# Altium PCB WunderBar_v102b _flip.PcbDoc (part 7 of 7)
Units mil, origin at the board's own origin, x right, y up, seen from the top; angles counter-clockwise.
Board outline 4556.01 x 1552 mil, 4 copper layers (Top, Route2, Route15, Bottom), stack 52.756 mil thick; 380 components, 258 nets, 1391 pads, 528 vias.
Unrouted connection lines stored in the file: 8.
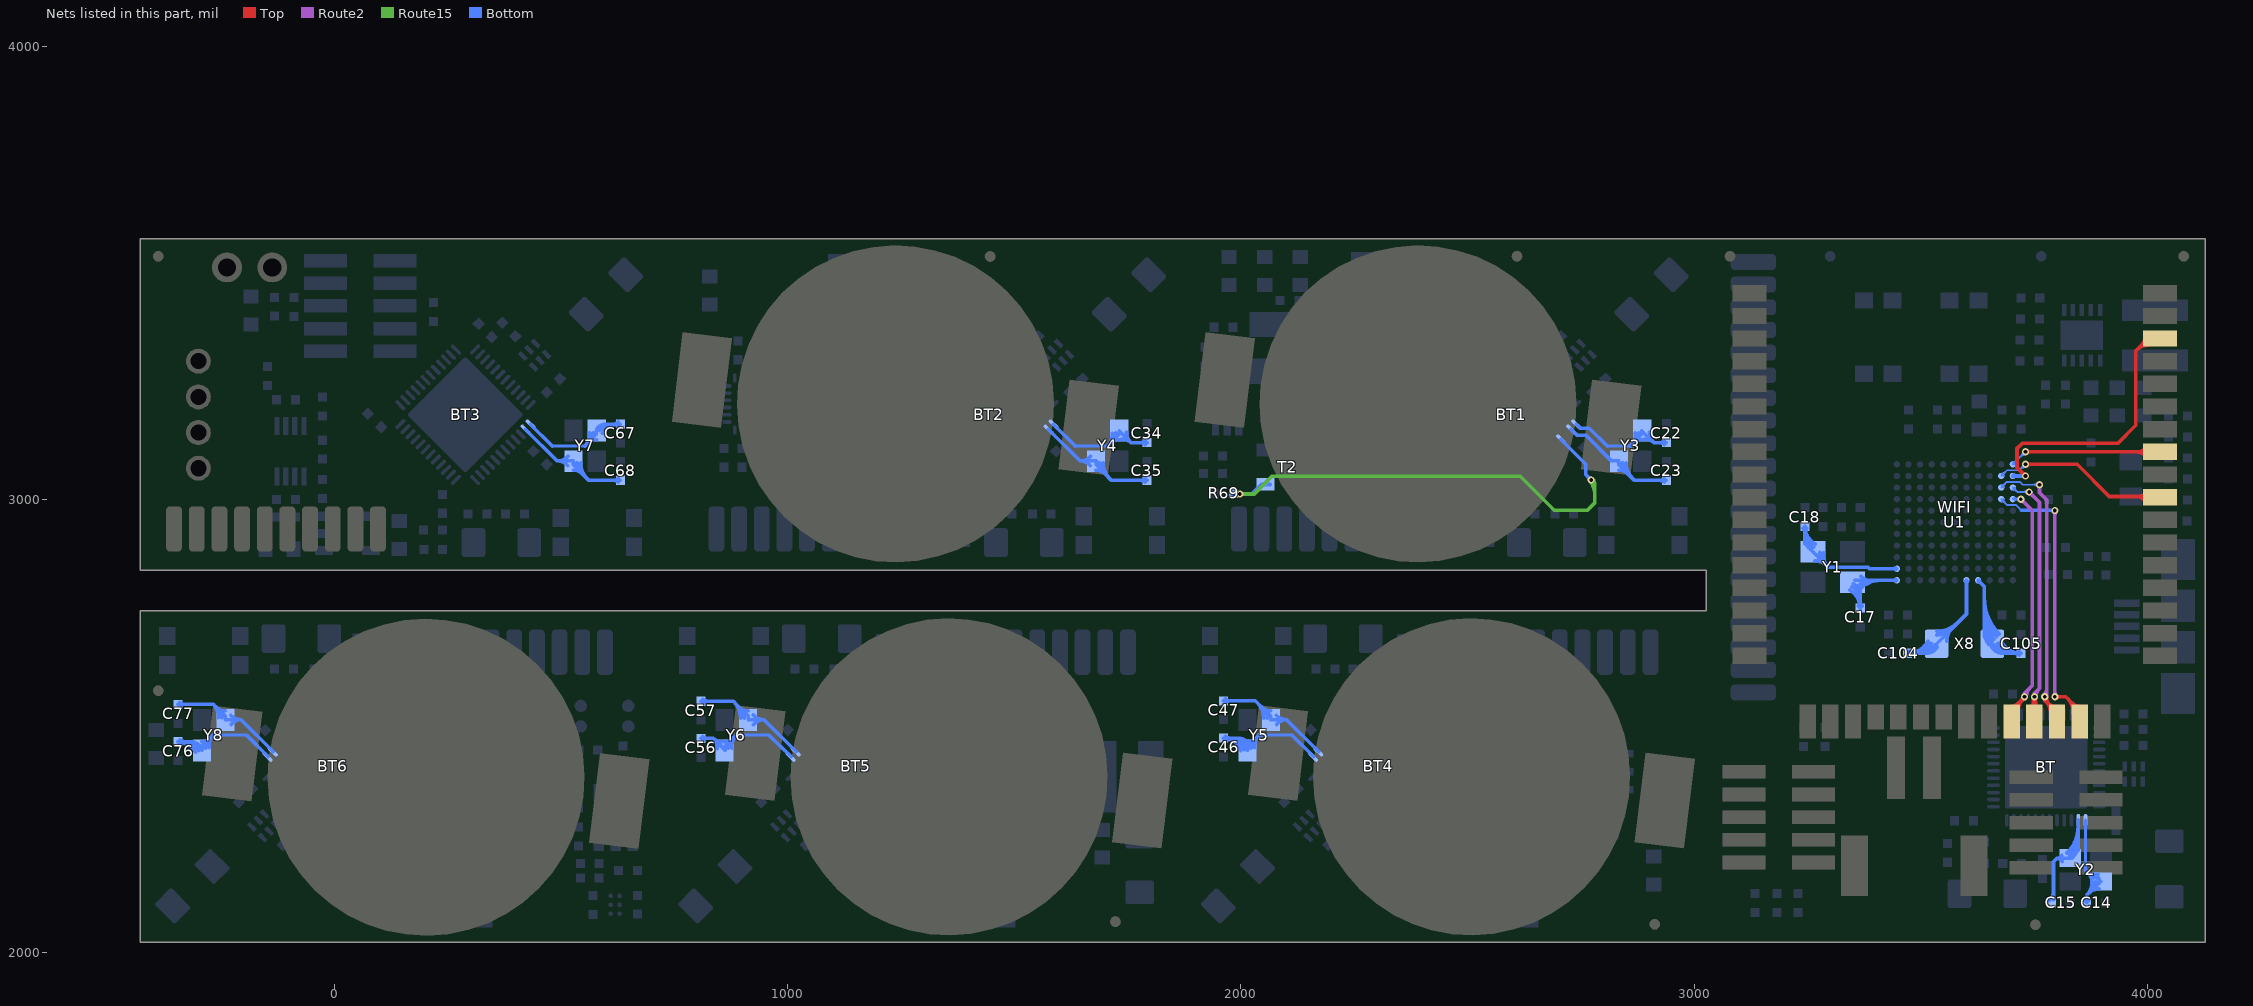
[diagram p9: the nets of this part, all layers, seen from the top]

## Via types
v1: diameter 16, hole 8, Top to Bottom, tented both sides, 282 vias
v2: diameter 24, hole 12, Top to Bottom, tented both sides, 135 vias
v3: diameter 14, hole 6, Top to Bottom, tented both sides, 34 vias
v4: diameter 48/41/41/48 (per signal layer), hole 32, Top to Bottom, 30 vias
v5: diameter 16, hole 8, Top to Route2, tented top, 18 vias
v6: diameter 21/21/21/21 (per signal layer), hole 12, Top to Bottom, tented both sides, 15 vias
v7: diameter 24, hole 12, Top to Route2, tented top, 12 vias
v8: diameter 21/21/21/21 (per signal layer), hole 12, Top to Bottom, 1 vias
v9: diameter 24, hole 8, Top to Bottom, tented both sides, 1 vias

## Nets (pads, with @x,y where several pads share a name; then routed paths per layer and width w, separated by ;. In a path a pad name is that pad's centre, name@x,y a point inside that pad or via, vN(x,y) a via of type N, cw(c..) or ccw(c..) an arc to the next point about the centre after c; other vN are vias at no path point) (continued)
WIFI_SPI_IRQ: U1.B1 WIFI.46 | length 724.1
  Top w8: v1@3727,3052.36 ccw(c3717.34,3052.36) 3724.17,3059.19 ccw(c3731,3066.01) v1@3731,3056.36 ; v1(3731,3052.36) 3712.41,3070.95 3712.41,3112.81 3723.72,3124.12 3934.44,3124.12 3974.4,3164.09 3974.4,3328.36 ; 3987.33,3341.29 cw(c4007.17,3321.44) WIFI.46@4008.28,3349.48 ; 3989.57,3343.53 ccw(c3977.62,3355.48) WIFI.46@3994.52,3355.48 ; WIFI.46@4007.97,3341.49 ccw(c4006.19,3296.57) 3974.4,3328.36 ; WIFI.46@4028.52,3355.48 4001.52,3355.48 3974.4,3328.36
  Bottom w8: U1.B1@3703.19,3052.36 v1(3731,3052.36) ; U1.B1@3705.31,3050.24 cw(c3710.43,3045.11) 3710.43,3052.36 cw(c3710.43,3059.6) U1.B1@3705.31,3054.48 ; v1@3728.17,3049.53 ccw(c3721.34,3042.7) 3721.34,3052.36 ccw(c3721.34,3062.01) v1@3728.17,3055.19
WIFI_SPI_MISO: U1.D1 WIFI.27 | length 771.9
  Top w8: WIFI.27@3700.52,2510.48 3700.52,2519.52 3714,2533 3714,2550 ; WIFI.27@3706.52,2529.99 cw(c3736.71,2530.02) 3715.36,2551.36 ; WIFI.27@3712.48,2537.26 cw(c3721.34,2542.66) 3714,2550 ; WIFI.27@3714.52,2529.99 cw(c3763.95,2530.04) v1(3729,2565) 3714,2550 ; v1@3725,2565 cw(c3715.34,2565) 3722.17,2558.17 cw(c3729,2551.34) v1@3729,2561 ; v1@3725.14,2563.96 cw(c3715.81,2561.47) 3724.17,2556.64 cw(c3732.54,2551.81) v1@3730.04,2561.14 ; WIFI.27@3700.52,2543.98 ccw(c3700.52,2561.99) 3713.26,2549.26 cw(c3700.52,2561.99) WIFI.27@3700.52,2543.98
  Route2 w8: v1@3721,2997 cw(c3721,2987.34) 3727.83,2994.17 cw(c3734.66,3001) v1@3725,3001 ; v1(3721,3001) 3746,2976 3746,2590 3729,2573 v1(3729,2565) ; v1@3733,2565 cw(c3761.97,2565) 3741.49,2585.49
  Bottom w4: U1.D1@3703.19,3001.21 v1@3721,3001.21 ; U1.D1@3706.02,3001.21 cw(c3706.02,2986.02) v1@3716.76,2996.76 ; U1.D1@3706.72,2997.67 cw(c3715.26,2989.14) 3715.26,3001.21 cw(c3715.26,3013.28) U1.D1@3706.72,3004.74 ; U1.D1@3707.01,3001.21 ccw(c3707.01,3014.99) v1@3716.76,3005.24 ; v1@3715.47,2998.67 ccw(c3712.8,2997.54) 3712.04,3000.34 ccw(c3710.7,3005.34) v1@3715.47,3003.33 ; v1@3715.47,2998.68 ccw(c3709.78,2996.29) 3711.38,3002.25 ccw(c3712.41,3006.1) v1@3715.84,3004.06
WIFI_SPI_MOSI: U1.D2 WIFI.30 | length 766.8
  Top w8: v1(3796,2565) 3820,2565 WIFI.30@3844.52,2540.48 ; v1@3798.83,2562.17 cw(c3805.66,2555.34) 3805.66,2565 cw(c3805.66,2574.66) v1@3798.83,2567.83 ; 3823.44,2561.56 cw(c3791.86,2529.98) WIFI.30@3836.52,2529.98 ; 3834.3,2550.7 ccw(c3850.52,2566.92) WIFI.30@3850.52,2543.98 ; WIFI.30@3837.1,2547.9 cw(c3819.17,2529.98) WIFI.30@3844.52,2529.98 ; WIFI.30@3850.52,2510.48 WIFI.30@3850.52,2529.48
  Route2 w8: v1@3793.17,2567.83 ccw(c3786.34,2574.66) 3796,2574.66 ccw(c3805.66,2574.66) v1@3798.83,2567.83 ; v1@3793.17,2973.17 cw(c3786.34,2966.34) 3796,2966.34 cw(c3805.66,2966.34) v1@3798.83,2973.17 ; v1(3796,2565) v1@3796,2977
  Bottom w4: U1.D2@3677.59,2996.19 cw(c3677.59,2984.12) 3686.12,2992.65 cw(c3694.66,3001.19) U1.D2@3682.59,3001.19 ; U1.D2@3677.59,3001.19 3690.66,2988.12 3710.57,2988.12 3721.69,2977
  Bottom w8: 3721.69,2977 3796,2977 v1(3796,2976) ; 3783.93,2977 cw(c3783.93,2963.93) v1@3793.17,2973.17
WIFI_SPI_SCK: U1.C1 WIFI.28 | length 731.1
  Top w8: WIFI.28@3740.62,2539.88 ccw(c3716.72,2563.78) 3750.52,2563.78 ccw(c3784.32,2563.78) WIFI.28@3760.42,2539.88 ; v1@3747.54,2563 cw(c3739.61,2558.42) 3748.45,2556.06 ; v1@3748.17,2562.17 cw(c3742.5,2556.5) 3750.52,2556.5 ; 3748.27,2555.37 cw(c3758.08,2552.74) v1@3753,2561.54 ; WIFI.28@3750.52,2510.48 v1@3750.52,2565 ; 3750.52,2554.18 cw(c3761.82,2554.18) v1@3753.83,2562.17 ; 3753.23,2553.65 cw(c3765.13,2556.84) v1@3754.46,2563
  Route2 w8: v1@3739,3013 cw(c3739,3003.34) 3745.83,3010.17 cw(c3752.66,3017) v1@3743,3017 ; v1(3739,3017) 3762,2994 3762,2584 ; v1(3751,2565) 3751,2573 3762,2584 ; v1@3754.99,2565.28 cw(c3779.06,2566.94) 3762,2584
  Bottom w4: U1.C1@3703.19,3021.78 cw(c3703.19,3009.71) 3711.72,3018.25 cw(c3720.26,3026.78) U1.C1@3708.19,3026.78 ; U1.C1@3703.19,3026.78 3712.97,3017 v1(3739,3017) ; v1@3734.76,3012.76 ccw(c3724.51,3002.51) 3724.51,3017 ccw(c3724.51,3031.49) v1@3734.76,3021.24
WIFI_SPI_SSEL: U1.C2 WIFI.29 | length 791.6
  Top w8: v1(3773.52,2565) 3773.52,2557 WIFI.29@3799.52,2531 ; 3776.61,2553.91 cw(c3752.67,2529.98) WIFI.29@3786.52,2529.98 ; 3776.65,2553.87 ccw(c3800.52,2577.73) WIFI.29@3800.52,2543.98 ; v1@3777.52,2565 ccw(c3806.49,2565) WIFI.29@3786,2544.51 ; WIFI.29@3800.52,2510.48 WIFI.29@3800.52,2536
  Route2 w8: v1@3759.17,3030.17 cw(c3752.34,3023.34) 3762,3023.34 cw(c3771.66,3023.34) v1@3764.83,3030.17 ; v1(3762,3033) 3762,3015.2 3778.09,2999.1 3778.09,2569.57 v1(3773.52,2565) ; v1@3770.69,2567.83 ccw(c3752.82,2585.7) 3778.09,2585.7
  Bottom w4: U1.C2@3677.59,3026.76 3690.11,3039.28 3718.72,3039.28 3725,3033 v1(3762,3033) ; U1.C2@3677.59,3031.76 ccw(c3677.59,3043.84) 3686.12,3035.3 ccw(c3694.66,3026.76) U1.C2@3682.59,3026.76 ; v1@3757.76,3028.76 ccw(c3747.51,3018.51) 3747.51,3033 ccw(c3747.51,3047.49) v1@3757.76,3037.24
WIFI_UART_RX_LPC_TX: U1.A1 WIFI.41 | length 446.6
  Top w8: v1(3731,3105.48) WIFI.41@4028.52,3105.48 ; v1@3733.83,3102.65 cw(c3740.66,3095.82) 3740.66,3105.48 cw(c3740.66,3115.14) v1@3733.83,3108.31 ; WIFI.41@3998.62,3095.58 ccw(c3974.72,3071.68) 3974.72,3105.48 ccw(c3974.72,3139.28) WIFI.41@3998.62,3115.38
  Bottom w4: U1.A1@3703.19,3077.94 v1@3730.86,3105.62 ; U1.A1@3703.19,3082.94 ccw(c3703.19,3095.01) 3711.72,3086.48 ccw(c3720.26,3077.94) U1.A1@3708.19,3077.94 ; 3720.29,3095.05 cw(c3731,3084.34) v1@3731,3099.48 ; 3720.95,3095.7 ccw(c3711.17,3105.48) v1@3725,3105.48
WIFI_UART_TX_LPC_RX: U1.B2 WIFI.39 | length 501.6
  Top w8: v1(3731,3078) 3845,3078 3916.09,3006.91 4027.09,3006.91 WIFI.39@4028.52,3005.48 ; v1@3733.83,3075.17 cw(c3740.66,3068.34) 3740.66,3078 cw(c3740.66,3087.66) v1@3733.83,3080.83 ; 3971.28,3006.91 cw(c3971.28,2968.24) WIFI.39@3998.62,2995.58 ; 3978.16,3006.91 ccw(c3978.16,3035.84) WIFI.39@3998.62,3015.38
  Bottom w4: U1.B2@3677.59,3052.34 3690.25,3065 3718,3065 v1(3731,3078) ; U1.B2@3677.59,3057.34 ccw(c3677.59,3069.41) 3686.12,3060.88 ccw(c3694.66,3052.34) U1.B2@3682.59,3052.34 ; v1@3725,3078 cw(c3710.51,3078) 3720.76,3067.76 cw(c3731,3057.51) v1@3731,3072
WLED_CTRL: BT1.40 R69.2 T2.1 | length 1157.2
  Route15 w8: v1(1997.52,3012.48) 2029.52,3012.48 2068.52,3051.48 2616.52,3051.48 2691.52,2976.48 2764.52,2976.48 2780.52,2992.48 2780.52,3035.48 v1(2772.52,3043.48) ; v1@2769.69,3040.65 cw(c2743.55,3014.51) 2780.52,3014.51 ; v1@2775.35,3046.31 cw(c2762.86,3033.82) 2780.52,3033.82
  Bottom w8: R69.2@1983.04,3012.48 v1(1997.52,3012.48) 2024.32,3012.48 2045.32,3033.48 T2.1@2064.52,3033.48 ; BT1.40@2705.52,3133.48 2760.52,3078.48 2760.52,3055.48 v1(2772.52,3043.48) ; v1@2768.52,3043.48 ccw(c2758.86,3043.48) 2765.69,3050.31 ccw(c2772.52,3057.14) v1@2772.52,3047.48
XC16M1: BT.37 C14.1 Y2.3 | length 382.2
  Bottom w7: 3863.52,2182.48 BT.37@3863.52,2293.48
  Bottom w8: C14.1@3861.61,2114.72 ccw(c3849.75,2126.58) 3866.52,2126.58 ; C14.1@3866.52,2110.48 3866.52,2127.48 ; 3866.52,2123.35 ccw(c3878.72,2123.35) C14.1@3870.09,2114.72 ; 3869.74,2176.26 cw(c3850.96,2157.48) Y2.3@3877.52,2157.48 ; 3871.33,2132.29 cw(c3893.52,2110.1) Y2.3@3893.52,2141.48 ; Y2.3@3874.78,2171.22 ccw(c3889.37,2185.8) Y2.3@3892.36,2165.4 ; Y2.3@3877.55,2156.53 cw(c3839.74,2154.27) 3866.52,2127.48 ; Y2.3@3879.1,2140.06 ccw(c3863.48,2155.69) Y2.3@3885.53,2157 ; Y2.3@3891.2,2173.31 cw(c3886.48,2205.44) 3863.52,2182.48 3880.52,2165.48 3888.52,2165.48 3896.52,2157.48 3866.52,2127.48
XC16M2: BT.38 C15.1 Y2.1 | length 423
  Bottom w8: C15.1@3783.61,2114.72 ccw(c3760.93,2137.4) 3793,2137.4 ; C15.1@3793,2116.96 3793,2201 3800.48,2208.48 ; Y2.1@3811.44,2215.59 cw(c3800.48,2220.49) 3800.48,2208.48 ; Y2.1@3811.91,2201.59 ccw(c3800.48,2195.55) 3800.48,2208.48 ; Y2.1@3822.74,2220.38 ccw(c3762.92,2280.2) BT.38@3847.52,2280.2 ; Y2.1@3828.4,2214.73 ccw(c3782.23,2260.89) 3847.52,2260.89 ; Y2.1@3834.06,2209.07 ccw(c3801.55,2241.58) 3847.52,2241.58 ; BT.38@3847.52,2293.48 3847.52,2226.48 3829.52,2208.48 3800.48,2208.48
XC16M3: BT1.38 C23.1 Y3.1 | length 368.3
  Bottom w8: BT1.38@2727.52,3155.48 2741.52,3142.48 2760.52,3142.48 2817.52,3085.48 2833.52,3085.48 2833.52,3077.48 2868.52,3042.48 C23.1@2938.52,3042.48 ; Y3.1@2833.93,3065.02 cw(c2833.93,3035.91) 2854.51,3056.49 ; Y3.1@2841.93,3081.02 ccw(c2870.77,3081.02) 2850.38,3060.62 ; Y3.1@2849.93,3081.02 ccw(c2898.08,3081.02) 2864.03,3046.97 ; 2923.24,3042.48 ccw(c2923.24,3058.09) C23.1@2934.28,3047.05 ; 2924.83,3042.48 cw(c2924.83,3029.12) C23.1@2934.28,3038.57
XC16M4: BT1.37 C22.1 Y3.3 | length 399.7
  Bottom w7: 2808.52,3118.48 2859.52,3118.48
  Bottom w8: BT1.37@2739.52,3166.48 2748.52,3157.48 2768.52,3157.48 2808.52,3118.48 ; BT1.37@2746.84,3159.2 ccw(c2750.98,3163.34) 2750.98,3157.48 ; 2859.52,3118.48 2884.52,3144.48 2884.52,3151.48 2911.52,3125.48 ; 2859.58,3118.54 ccw(c2833.35,3143.76) Y3.3@2869.58,3147.04 ; 2863.66,3122.78 cw(c2886.45,3100.87) Y3.3@2885.83,3132.48 ; Y3.3@2871.73,3131.18 ccw(c2856.47,3145.85) Y3.3@2877.55,3147.76 ; Y3.3@2888.19,3132.71 cw(c2892.71,3106.03) 2911.48,3125.52 ; Y3.3@2901.52,3148.63 ccw(c2934.03,3148.94) 2911.48,3125.52 ; 2923.24,3125.48 ccw(c2923.24,3141.09) C22.1@2934.28,3130.05 ; 2924.83,3125.48 cw(c2924.83,3112.12) C22.1@2934.28,3121.57 ; C22.1@2938.52,3125.48 2911.52,3125.48
XC16M5: BT2.38 C35.1 Y4.1 | length 424.1
  Bottom w8: BT2.38@1574.52,3155.48 1645.52,3085.48 ; Y4.1@1667.47,3074.98 ccw(c1645.52,3057.3) 1645.52,3085.48 ; Y4.1@1667.93,3095.6 cw(c1645.52,3115.35) 1645.52,3085.48 ; Y4.1@1679.7,3065.02 cw(c1679.24,3033.36) 1701.95,3055.42 ; Y4.1@1687.93,3080.9 ccw(c1714.2,3080.52) Y4.1@1695.35,3062.21 ; Y4.1@1695.93,3080.78 ccw(c1741.51,3080.12) 1708.81,3048.36 ; 1777.24,3042.48 ccw(c1777.24,3058.09) C35.1@1788.28,3047.05 ; 1778.83,3042.48 cw(c1778.83,3029.12) C35.1@1788.28,3038.57 ; C35.1@1792.52,3042.48 1714.52,3042.48 1680.52,3077.48 1680.52,3085.48 1645.52,3085.48
XC16M6: BT2.37 C34.1 Y4.3 | length 400.6
  Bottom w7: 1634.52,3118.48 1705.52,3118.48
  Bottom w8: BT2.37@1585.52,3166.48 1634.52,3118.48 ; 1711.03,3124 cw(c1731.52,3103.51) Y4.3@1731.52,3132.48 ; Y4.3@1715.6,3146.85 cw(c1680.74,3143.27) 1705.52,3118.48 1731.52,3144.48 1731.52,3151.48 1757.52,3125.48 ; Y4.3@1717.42,3130.38 ccw(c1702.31,3145.48) Y4.3@1723.56,3147.66 ; Y4.3@1734.36,3132.73 cw(c1739.01,3106.97) 1757.52,3125.48 ; Y4.3@1747.52,3148.48 ccw(c1778.9,3148.48) 1756.71,3126.29 ; 1777.24,3125.48 ccw(c1777.24,3141.09) C34.1@1788.28,3130.05 ; 1778.83,3125.48 cw(c1778.83,3112.12) C34.1@1788.28,3121.57 ; C34.1@1792.52,3125.48 1757.52,3125.48
XC16M7: BT4.38 C47.1 Y5.1 | length 418.1
  Bottom w8: C47.1@1961.52,2556.48 2031.52,2556.48 2065.52,2522.48 2065.52,2514.48 2100.52,2514.48 ; C47.1@1965.76,2551.91 cw(c1976.8,2540.87) 1976.8,2556.48 ; C47.1@1965.76,2560.39 ccw(c1975.21,2569.84) 1975.21,2556.48 ; 2036.01,2551.99 cw(c2001.96,2517.94) Y5.1@2050.11,2517.94 ; 2045.53,2542.47 ccw(c2066.11,2563.05) Y5.1@2066.11,2533.94 ; 2049.66,2538.34 cw(c2029.27,2517.94) Y5.1@2058.11,2517.94 ; Y5.1@2078.08,2524.57 ccw(c2100.52,2544.49) 2100.52,2514.48 ; Y5.1@2078.6,2503.95 cw(c2100.52,2486.41) 2100.52,2514.48 ; BT4.38@2171.52,2443.48 2100.52,2514.48
XC16M8: BT4.37 C46.1 Y5.3 | length 582
  Bottom w7: 2040.52,2480.48 2112.52,2480.48
  Bottom w8: C46.1@1964.52,2468.95 cw(c1970.66,2458.32) 1973.84,2470.18 ; C46.1@1965.76,2469.91 cw(c1974.39,2461.28) 1974.39,2473.48 ; C46.1@1965.76,2478.39 ccw(c1977.62,2490.25) 1977.62,2473.48 ; C46.1@1966.72,2477.15 ccw(c1981.17,2485.49) 1976.85,2469.37 ; 1972.39,2473.48 cw(c1972.39,2437.36) Y5.3@2006.88,2448.1 ; 1983.26,2473.48 cw(c1983.26,2440.74) Y5.3@2014.52,2450.48 ; 1994.14,2473.48 cw(c1994.14,2444.13) Y5.3@2022.16,2452.86 ; Y5.3@1998.78,2453.37 ccw(c1976.5,2457.46) 1992.52,2473.48 ; Y5.3@1999.24,2445.72 ccw(c1961.52,2433.97) 1961.52,2473.48 1992.52,2473.48 ; Y5.3@2012.75,2466.38 cw(c2010.02,2490.98) 1992.52,2473.48 ; Y5.3@2014.52,2447.48 Y5.3@2014.52,2451.48 ; Y5.3@2014.83,2466.48 ccw(c2015.35,2492.79) 2033.59,2473.82 ; Y5.3@2022.47,2451.38 cw(c2043.9,2453.81) Y5.3@2028.95,2469.36 ; Y5.3@2030.42,2452.28 cw(c2064.15,2456.11) 2040.62,2480.58 ; 2040.52,2480.48 2014.52,2455.48 Y5.3@2014.52,2451.48 ; 2112.52,2480.48 BT4.37@2160.52,2432.48 ; 1992.52,2473.48 Y5.3@2014.52,2451.48
XC16M9: BT5.38 C57.1 Y6.1 | length 422
  Bottom w8: C57.1@808.52,2555.48 879.52,2555.48 912.52,2522.48 912.52,2514.48 947.52,2514.48 ; C57.1@812.76,2550.91 cw(c823.8,2539.87) 823.8,2555.48 ; C57.1@812.76,2559.39 ccw(c822.21,2568.84) 822.21,2555.48 ; 881.3,2553.7 cw(c845.55,2517.94) Y6.1@896.11,2517.94 ; 893.24,2541.76 ccw(c912.11,2560.63) Y6.1@912.11,2533.94 ; 894.96,2540.04 cw(c872.86,2517.94) Y6.1@904.11,2517.94 ; Y6.1@923.85,2524.82 ccw(c947.52,2546.75) 947.52,2514.48 ; Y6.1@924.38,2503.67 cw(c947.52,2484.3) 947.52,2514.48 ; BT5.38@1018.52,2443.48 947.52,2514.48
XC16M10: BT5.37 C56.1 Y6.3 | length 392.7
  Bottom w7: 886.52,2480.48 958.52,2480.48
  Bottom w8: C56.1@808.52,2473.48 835.52,2473.48 ; C56.1@812.76,2468.91 cw(c823.8,2457.87) 823.8,2473.48 ; C56.1@812.76,2477.39 ccw(c822.21,2486.84) 822.21,2473.48 ; Y6.3@844.53,2450.9 ccw(c813.76,2451.71) 835.52,2473.48 ; Y6.3@857.93,2466.27 cw(c853.75,2491.71) 835.52,2473.48 ; Y6.3@860.52,2466.48 ccw(c860.52,2495.45) 881.01,2474.97 ; Y6.3@868.48,2451.3 cw(c889.73,2453.48) Y6.3@874.62,2468.58 ; Y6.3@876.44,2452.11 cw(c911.3,2455.7) 886.52,2480.48 861.52,2455.48 861.52,2447.48 835.52,2473.48 ; 958.52,2480.48 BT5.37@1007.52,2432.48
XC16M11: BT3.38 C68.1 Y7.1 | length 420.2
  Bottom w8: BT3.38@420.52,3155.48 491.52,3085.48 ; Y7.1@514.69,3074.7 ccw(c491.52,3055.18) 491.52,3085.48 ; Y7.1@515.16,3095.85 cw(c491.52,3117.6) 491.52,3085.48 ; Y7.1@526.93,3065.02 cw(c526.93,3035.91) 547.51,3056.49 ; Y7.1@534.93,3081.02 ccw(c563.77,3081.02) 543.38,3060.62 ; Y7.1@542.93,3081.02 ccw(c591.08,3081.02) 557.03,3046.97 ; 615.24,3042.48 ccw(c615.24,3058.09) C68.1@626.28,3047.05 ; 616.83,3042.48 cw(c616.83,3029.12) C68.1@626.28,3038.57 ; C68.1@630.52,3042.48 561.52,3042.48 526.52,3077.48 526.52,3085.48 491.52,3085.48
XC16M12: BT3.37 C67.1 Y7.3 | length 442.7
  Bottom w7: 480.52,3118.48 552.52,3118.48
  Bottom w8: BT3.37@431.52,3166.48 480.52,3118.48 ; 552.52,3118.48 577.52,3144.48 577.52,3151.48 592.52,3166.48 630.52,3166.48 ccw(c630.52,3117.48) Y7.3@591.32,3146.88 ; 552.58,3118.54 ccw(c526.35,3143.76) Y7.3@562.58,3147.04 ; 556.66,3122.78 cw(c579.45,3100.87) Y7.3@578.83,3132.48 ; Y7.3@564.73,3131.18 ccw(c549.47,3145.85) Y7.3@570.55,3147.76 ; Y7.3@578.52,3156.48 cw(c598.52,3141.48) Y7.3@598.52,3166.48 ; Y7.3@584.92,3151.68 cw(c614.52,3129.48) 614.52,3166.48 ; 614.42,3166.48 ccw(c614.42,3183.25) C67.1@626.28,3171.39 ; 617.65,3166.48 cw(c617.65,3154.28) C67.1@626.28,3162.91
XC16M13: BT6.38 C77.1 Y8.1 | length 405.8
  Bottom w8: C77.1@-345.48,2548.48 -267.48,2548.48 ; C77.1@-341.24,2543.91 cw(c-330.2,2532.87) -330.2,2548.48 ; C77.1@-341.24,2552.39 ccw(c-331.79,2561.84) -331.79,2548.48 ; -261.47,2542.47 ccw(c-240.89,2563.05) Y8.1@-240.89,2533.94 ; Y8.1@-256.83,2519.31 ccw(c-293.51,2522.45) -267.48,2548.48 ; Y8.1@-255.32,2536.32 cw(c-271.11,2520.53) Y8.1@-248.86,2518.63 ; Y8.1@-228.92,2524.57 ccw(c-206.48,2544.49) -206.48,2514.48 ; Y8.1@-228.4,2503.95 cw(c-206.48,2486.41) -206.48,2514.48 ; BT6.38@-135.48,2443.48 -206.48,2514.48 ; -267.48,2548.48 -241.48,2522.48 -241.48,2514.48 -206.48,2514.48
XC16M14: BT6.37 C76.1 Y8.3 | length 478.6
  Bottom w7: -267.42,2480.54 -195.46,2480.54
  Bottom w8: C76.1@-342.48,2460.95 cw(c-336.34,2450.32) -333.16,2462.18 ; C76.1@-341.24,2461.91 cw(c-332.61,2453.28) -332.61,2465.48 ; C76.1@-341.24,2470.39 ccw(c-329.38,2482.25) -329.38,2465.48 ; C76.1@-340.28,2469.15 ccw(c-325.83,2477.49) -330.15,2461.37 ; -331.8,2465.48 cw(c-331.8,2428.37) Y8.3@-299.45,2446.56 ; -318.12,2465.48 cw(c-318.12,2436.06) Y8.3@-292.48,2450.48 ; Y8.3@-306.43,2442.64 ccw(c-345.48,2420.68) -345.48,2465.48 -310.48,2465.48 -292.48,2447.48 -292.48,2455.48 -267.42,2480.54 ccw(c-244.34,2457.46) Y8.3@-276.65,2452.78 ; Y8.3@-292.48,2466.48 ccw(c-292.48,2493.04) -273.7,2474.26 ; Y8.3@-284.56,2451.63 cw(c-264.05,2454.6) Y8.3@-278.71,2469.25 ; -195.46,2480.54 -194.54,2480.54 BT6.37@-146.48,2432.48
XL1: C105.1 U1.L4 X8.1 | length 718.7
  Bottom w8: U1.L4@3626.43,2819.09 cw(c3626.43,2811.84) 3631.55,2816.97 cw(c3636.67,2822.09) U1.L4@3629.43,2822.09 ; U1.L4@3626.43,2822.09 3640,2808.52 3640,2705 X8.1@3657.59,2687.41 ; X8.1@3640,2706.87 ccw(c3677.39,2706.87) X8.1@3650.95,2680.43 ; 3640,2726.18 ccw(c3696.71,2726.18) X8.1@3656.61,2686.09 ; 3640,2745.5 ccw(c3716.02,2745.5) X8.1@3662.27,2691.74 ; 3640,2764.81 ccw(c3735.34,2764.81) X8.1@3667.92,2697.4 ; 3640,2784.13 ccw(c3754.65,2784.13) X8.1@3673.58,2703.06 ; X8.1@3656.27,2675.53 ccw(c3680.62,2688.98) X8.1@3680.62,2661.17 ; X8.1@3658.02,2682 3678.86,2661.17 C105.1@3721.3,2661.17 cw(c3721.3,2711.45) X8.1@3677.28,2687.14 ; X8.1@3663.28,2679.4 ccw(c3694.18,2696.47) 3694.18,2661.17 ; X8.1@3670.28,2683.27 ccw(c3707.74,2703.96) 3707.74,2661.17 ; C105.1@3717.06,2656.92 ccw(c3706.82,2646.68) 3706.82,2661.17 ccw(c3706.82,2675.65) C105.1@3717.06,2665.41
XL2: C104.1 U1.L5 X8.2 | length 563.4
  Bottom w8: C104.1@3475.15,2656.92 cw(c3485.39,2646.68) 3485.39,2661.17 cw(c3485.39,2675.65) C104.1@3475.15,2665.41 ; 3484.64,2661.17 ccw(c3484.64,2705.05) X8.2@3522.82,2683.41 ; 3498.38,2661.17 ccw(c3498.38,2697.27) X8.2@3529.78,2679.46 ; X8.2@3512.11,2661.17 ccw(c3512.11,2689.48) X8.2@3536.74,2675.51 ; X8.2@3515.86,2687.35 cw(c3470.91,2712.84) C104.1@3470.91,2661.17 3514.17,2661.17 X8.2@3535,2682 3600.82,2747.82 U1.L5@3600.82,2822.09 ; X8.2@3535,2701.5 ccw(c3535,2748.58) 3568.29,2715.29 ; X8.2@3535,2709.5 ccw(c3535,2775.89) 3581.95,2728.95 ; X8.2@3557,2687.5 cw(c3596.83,2687.5) 3568.67,2715.67 ; U1.L5@3598.7,2819.97 cw(c3593.58,2814.85) 3600.82,2814.85 cw(c3608.07,2814.85) U1.L5@3602.95,2819.97
XTAL1: C18.1 U1.K11 Y1.3 | length 478.1
  Bottom w8: C18.1@3240.24,2936.61 cw(c3229.99,2926.37) 3244.48,2926.37 cw(c3258.97,2926.37) C18.1@3248.72,2936.61 ; Y1.3@3244.48,2902.52 C18.1@3244.48,2940.85 ccw(c3288.71,2940.85) Y1.3@3267.38,2902.1 ; 3244.48,2913.78 ccw(c3273.81,2913.78) Y1.3@3259.67,2888.09 ; 3244.48,2927.31 ccw(c3281.26,2927.31) Y1.3@3263.53,2895.09 ; Y1.3@3261.98,2885.02 3296.07,2850.93 ; Y1.3@3265.98,2865.52 cw(c3265.98,2828.1) 3292.44,2854.56 ; Y1.3@3277.38,2883.54 ccw(c3302.44,2880.29) Y1.3@3284.57,2862.43 ; Y1.3@3285.32,2882.51 ccw(c3322.8,2877.65) 3296.07,2850.93 ; U1.K11@3445.14,2845.54 ccw(c3440.01,2840.42) 3440.01,2847.66 ccw(c3440.01,2854.91) U1.K11@3445.14,2849.78 ; U1.K11@3447.26,2847.66 3387,2847.66 3383.74,2850.93 3296.07,2850.93
XTAL2: C17.1 U1.L11 Y1.1 | length 396.3
  Bottom w8: Y1.1@3343.35,2800.86 cw(c3318.31,2759.66) C17.1@3366.52,2759.66 ; Y1.1@3347.51,2807.69 cw(c3326.96,2773.89) 3366.52,2773.89 ; Y1.1@3351.66,2814.53 cw(c3335.61,2788.11) 3366.52,2788.11 ; Y1.1@3354.05,2822.09 U1.L11@3447.26,2822.09 ; Y1.1@3361.61,2809.39 cw(c3392.27,2778.73) 3392.27,2822.09 ; C17.1@3362.28,2765.39 ccw(c3352.03,2775.63) 3366.52,2775.63 ccw(c3381.01,2775.63) C17.1@3370.76,2765.39 ; C17.1@3366.52,2761.15 Y1.1@3366.52,2800.48 ; Y1.1@3367.27,2803.73 cw(c3411.59,2759.41) 3411.59,2822.09 ; Y1.1@3367.27,2831.31 ccw(c3389.53,2853.57) 3389.53,2822.09 ; U1.L11@3445.14,2819.97 ccw(c3440.01,2814.84) 3440.01,2822.09 ccw(c3440.01,2829.33) U1.L11@3445.14,2824.21
pads on no net: ANT1.2 ANT2.2 ANT3.2 ANT4.2 ANT5.2 ANT6.2 ANT7.2 BALUN1.6 BALUN2.6 BALUN3.6 BALUN4.6 BALUN5.6 BALUN6.6 BALUN.6 BATT.3 BATT.4 BT1.2 BT1.3 BT1.16 BT1.17 BT1.18 BT1.19 BT1.20 BT1.21 BT1.22 BT1.25 BT1.26 BT1.27 BT1.28 BT1.47 BT2.2 BT2.3 BT2.16 BT2.17 BT2.18 BT2.19 BT2.20 BT2.21 BT2.22 BT2.25 BT2.26 BT2.27 BT2.28 BT2.40 BT2.47 BT3.2 BT3.3 BT3.16 BT3.17 BT3.18 BT3.19 BT3.20 BT3.25 BT3.26 BT3.27 BT3.28 BT3.40 BT3.42 BT3.43 BT3.44 BT3.47 BT4.2 BT4.3 BT4.16 BT4.17 BT4.18 BT4.19 BT4.20 BT4.21 BT4.22 BT4.25 BT4.26 BT4.27 BT4.28 BT4.40 BT4.42 BT4.47 BT5.2 BT5.3 BT5.16 BT5.17 BT5.18 BT5.19 BT5.20 BT5.21 BT5.22 BT5.25 BT5.26 BT5.27 BT5.28 BT5.40 BT5.42 BT5.43 BT5.47 BT6.2 BT6.3 BT6.20 BT6.21 BT6.22 BT6.25 BT6.26 BT6.27 BT6.28 BT6.40 BT6.42 BT6.43 BT6.44 BT6.47 BT.2 BT.3 BT.10 BT.11 BT.14 BT.15 BT.16 BT.17 BT.18 BT.19 BT.20 BT.21 BT.22 BT.25 BT.26 BT.27 BT.28 BT.40 BT.41 BT.42 BT.43 BT.44 BT.47 DEBUG1.6 DEBUG1.8 DEBUG1.10 DEBUG2.6 DEBUG2.8 DEBUG2.10 DEBUG3.6 DEBUG3.8 DEBUG3.10 DEBUG4.6 DEBUG4.8 DEBUG4.10 DEBUG5.6 DEBUG5.8 DEBUG5.10 DEBUG6.6 DEBUG6.8 DEBUG6.10 FM1.0 FM2.0 FM3.0 FM4.0 FM5.0 FM6.0 FM7.0 FM8.0 FM9.0 FM10.0 FM11.0 FM12.0 FM13.0 FM14.0 FM15.0 FM16.0 FM17.0 FM18.0 IC3.3 LPC_DEBUG.7 NRF_DEBUG.6 NRF_DEBUG.7 NRF_DEBUG.8 NRF_DEBUG.10 SENSE1.3 SENSE1.4 SENSE1.PAD SENSE2.1 SENSE2.2 SENSE2.3 SENSE2.4 SENSE2.5 SENSE2.6 SENSE2.7 SENSE2.14 SENSE2.15 SENSE2.16 SENSE2.17 SENSE2.19 SENSE2.21 U1.A3 U1.A5 U1.A11 U1.B3 U1.B4 U1.B5 U1.B6 U1.B7 U1.B8 U1.B9 U1.C3 U1.C4 U1.C5 U1.C6 U1.C7 U1.C8 U1.C9 U1.D3 U1.D4 U1.D5 U1.D6 U1.D7 U1.D9 U1.E1 U1.E8 U1.E9 U1.E10 U1.F8 U1.F9 U1.F10 U1.G8 U1.G9 U1.H4 U1.H6 U1.J8 U1.K3 U1.K4 U1.K5 U1.K8 U1.L7 USB.4_ID_NC VREG2.4 WIFI.10 WIFI.11 WIFI.12 WIFI.13 WIFI.14 WIFI.15 WIFI.16 WIFI.18 WIFI.19 WIFI.20 WIFI.21 WIFI.22 WIFI.23 WIFI.24 WIFI.25 WIFI.26 WIFI.37 WIFI.38 WIFI.40 WIFI.42 WIFI.43 WIFI.45 WIFI_DEBUG.7
copper on no net:
  other v1: 701,3216

## Polygon pours and split planes (outlines as drawn)
VD33 on Route15 "Route15-VD33 1" (solid, remove dead copper, pour order 29): 1879.52,3568.48 1879.52,2853.48 3019.52,2853.48 3019.52,3213.32 2865.31,3291.94 2747.99,3409.26 2668.37,3568.48
VD33 on Route15 "Route15-VD33 2" (solid, remove dead copper, pour order 30): 726.52,3568.48 726.52,2853.48 1866.52,2853.48 1866.52,3213.32 1711.3,3291.94 1593.99,3409.26 1514.37,3568.48
VD33 on Route15 "Route15-VD33 3" (solid, remove dead copper, pour order 31): 3019.52,2030.48 3019.52,2745.48 1879.52,2745.48 1879.52,2386.65 2034.73,2307.03 2152.05,2189.7 2231.67,2030.48
VD33 on Route15 "Route15-VD33 4" (solid, remove dead copper, pour order 32): 1866.52,2030.48 1866.52,2745.48 726.52,2745.48 726.52,2386.65 880.73,2307.03 999.05,2189.7 1077.66,2030.48
VD33 on Route15 "Route15-VD33 5" (solid, remove dead copper, pour order 33): -421.48,3568.48 -421.48,2853.48 712.52,2853.48 712.52,3213.32 558.31,3291.94 440.99,3409.26 361.37,3568.48
VD33 on Route15 "Route15-VD33 6" (solid, remove dead copper, pour order 34): 712.52,2030.48 712.52,2745.48 -421.48,2745.48 -421.48,2386.68 -272.29,2307.04 -154.95,2189.7 -75.33,2030.48
VD33 on Route15 "vcc" (solid, remove dead copper, pour order 44): 4127.52,3575.48 3035.1,3575.48 3035.1,2030.1 3035.1,2023.48 4127.52,2023.48
GND on Route2 "Route2-GND 1" (solid, remove dead copper, pour order 37): 1879.52,3568.48 1879.52,2853.48 3019.52,2853.48 3019.52,3213.32 2865.31,3291.94 2747.99,3409.26 2668.37,3568.48
GND on Route2 "Route2-GND 2" (solid, remove dead copper, pour order 46): 3019.52,2028 3019.52,2743 1879.52,2743 1879.52,2384.17 2034.73,2304.55 2152.05,2187.22 2231.67,2028
GND on Route2 "Route2-GND 3" (solid, remove dead copper, pour order 49): 1866.52,2030.48 1866.52,2745.48 726.52,2745.48 726.52,2386.65 880.73,2307.03 999.05,2189.7 1077.66,2030.48
GND on Route2 "Route2-GND 4" (solid, remove dead copper, pour order 52): -421.48,3568.48 -421.48,2853.48 712.52,2853.48 712.52,3213.32 558.31,3291.94 440.99,3409.26 361.37,3568.48
GND on Route2 "Route2-GND 5" (solid, remove dead copper, pour order 55): 712.52,2030.48 712.52,2745.48 -421.48,2745.48 -421.48,2386.68 -272.29,2307.04 -154.95,2189.7 -75.33,2030.48
GND on Route2 "Route2-GND 6" (solid, remove dead copper, pour order 56): 726.52,3568.48 726.52,2853.48 1866.52,2853.48 1866.52,3213.32 1711.3,3291.94 1593.99,3409.26 1514.37,3568.48
GND on Route2 "vcc" (solid, remove dead copper, pour order 40): 4127.52,3575.48 4127.3,3575.7 3035.2,3575.7 3035.2,2023.48 4127.52,2023.48
GND on Bottom "Top-GND 1" (solid, remove dead copper, pour order 35): 1879.52,3568.48 1879.52,2853.48 3019.52,2853.48 3019.52,3213.32 2865.31,3291.94 2747.99,3409.26 2668.37,3568.48
GND on Bottom "Top-GND 4" (solid, remove dead copper, pour order 47): 1866.52,2030.48 1866.52,2745.48 726.52,2745.48 726.52,2386.65 880.73,2307.03 999.05,2189.7 1077.66,2030.48
GND on Bottom "Top-GND 6" (solid, remove dead copper, pour order 53): 712.52,2030.48 712.52,2745.48 -421.48,2745.48 -421.48,2386.68 -272.29,2307.04 -154.95,2189.7 -75.33,2030.48
GND on Bottom "Top-GND 5" (solid, remove dead copper, pour order 50): -421.48,3568.48 -421.48,2853.48 712.52,2853.48 712.52,3213.32 558.31,3291.94 440.99,3409.26 361.37,3568.48
GND on Bottom "Top-GND 3" (solid, remove dead copper, pour order 42): 3019.52,2030.48 3019.52,2745.48 1879.52,2745.48 1879.52,2386.65 2034.73,2307.03 2152.05,2189.7 2231.67,2030.48
GND on Bottom "Top-GND 2" (solid, remove dead copper, pour order 38): 726.52,3568.48 726.52,2853.48 1866.52,2853.48 1866.52,3213.32 1711.3,3291.94 1593.99,3409.26 1514.37,3568.48
GND on Bottom "vcc" (solid, remove dead copper, pour order 41): 4127.52,3575.48 3035.3,3575.48 3035.2,3575.38 3035.2,2023.48 4127.52,2023.48
GND on Top "Bottom-GND 6" (solid, remove dead copper, pour order 54): 712.52,2745.48 -421.48,2745.48 -421.48,2386.68 -272.29,2307.04 -154.95,2189.7 -75.33,2030.48 712.52,2030.48
GND on Top "Bottom-GND 5" (solid, remove dead copper, pour order 51): -421.48,2853.48 712.52,2853.48 712.52,3213.32 558.31,3291.94 440.99,3409.26 361.37,3568.48 -421.48,3568.48
GND on Top "Bottom-GND 2" (solid, remove dead copper, pour order 39): 726.52,2853.48 1866.52,2853.48 1866.52,3213.32 1711.3,3291.94 1593.99,3409.26 1514.37,3568.48 726.52,3568.48
GND on Top "Bottom-GND 1" (solid, remove dead copper, pour order 36): 1879.52,2853.48 3019.52,2853.48 3019.52,3213.32 2865.31,3291.94 2747.99,3409.26 2668.37,3568.48 1879.52,3568.48
GND on Top "vcc" (solid, remove dead copper, pour order 45): 4127.52,3575.48 3035.1,3575.48 3035.1,2023.48 4127.52,2023.48
GND on Top "Bottom-GND 4" (solid, remove dead copper, pour order 48): 1866.52,2745.48 726.52,2745.48 726.52,2386.65 880.73,2307.03 999.05,2189.7 1077.66,2030.48 1866.52,2030.48
GND on Top "Bottom-GND 3" (solid, remove dead copper, pour order 43): 3019.52,2745.48 1879.52,2745.48 1879.52,2386.65 2034.73,2307.03 2152.05,2189.7 2231.67,2030.48 3019.52,2030.48

## Keep-outs
Keep-Out Layer:
  the board outline again, w6

## Other copper
Top:
  region net VD33: 2963.52,2214.48 2938.52,2214.48 2938.52,2156.48 2963.52,2156.48
  pour cut-out: 4120.52,2355.48 3985.86,2355.48 3985.84,2355.47 3978.86,2355.47 3978.83,2355.49 3975.47,2352.13 3975.41,2352.13 3964.52,2341.24 3964.52,2030.48 4120.52,2030.48
Route2:
  pour cut-out: 4120.52,2355.48 3985.86,2355.48 3985.84,2355.47 3978.86,2355.47 3978.83,2355.49 3975.47,2352.13 3975.41,2352.13 3964.52,2341.24 3964.52,2030.48 4120.52,2030.48
Route15:
  region net VD33: 3681.52,2977.57 3656.51,2977.57 3656.51,2973.61 3681.52,2973.61
  pour cut-out: 4120.52,2355.48 3985.86,2355.48 3985.84,2355.47 3978.86,2355.47 3978.83,2355.49 3975.47,2352.13 3975.41,2352.13 3964.52,2341.24 3964.52,2030.48 4120.52,2030.48
Bottom:
  region net GND: 3915.52,2369.48 3863.52,2369.48 3863.52,2355.48 3915.52,2355.48
  region net GND: 1194.25,3377.92 1169.52,3377.92 1169.52,3363.48 1194.25,3363.48
  region net NetC112_2: 592.52,2190.48 574.52,2190.48 574.52,2173.48 592.52,2173.48
  region net GND: -43,2935 -58,2935 -58,2915 -43,2915
  region net GND: 345.52,2970.48 334.67,2970.48 334.67,2945.48 345.52,2945.48
  region net GND: 3845.96,2896.71 3829,2896.71 3829,2874 3845.96,2874
  region net GND: 2251.52,3444.25 2228.52,3444.25 2228.52,3428.48 2251.52,3428.48
  region net GND: 648,2084.48 638.52,2084.48 638.52,2080.64 648,2080.64
  region net VD33: 4117,3329 3976,3329 3976,3232 4117,3232
  region net GND: 3871.89,3107.15 3877.29,3107.15 3877.29,3103.33 3879.15,3101.48 3873.75,3101.48
  region net L\P\C\_\R\E\S\E\T\: 3127,2186 3127,2179 3120,2186
  pour cut-out: 4120.52,2355.48 3985.86,2355.48 3985.84,2355.47 3978.86,2355.47 3978.83,2355.49 3975.47,2352.13 3975.41,2352.13 3964.52,2341.24 3964.52,2030.48 4120.52,2030.48

## Silkscreen, mask and mechanical layers (free items; w line width, h text height)
Top Overlay:
  text "HW REV. 1.02" at 2976.1,2914.12 h50 r180
  text "HW REV. 1.02" at 1822.1,2913.12 h50 r180
  text "HW REV. 1.02" at 673.1,2910.12 h50 r180
  text "P9" at -241.83,2873.48 h25 r180
  text "P8" at -191.83,2873.48 h25 r180
  text "P6" at -141.85,2873.48 h25 r180
  text "P5" at -91.79,2873.42 h25 r180
  text "P4" at -41.88,2873.42 h25 r180
  text "P3" at 8.15,2873.48 h25 r180
  text "P2" at 58.07,2873.49 h25 r180
  text "P1" at 106.61,2873.48 h25 r180
  text "VDD" at -335.83,2871.97 h20 r180
  text "GND" at -285.27,2872.19 h20 r180
  text "b" at 3042,2789 h50
  text "HW REV. 1.02" at 763.94,2683.84 h50
  text "HW REV. 1.02" at -390.06,2682.84 h50
  text "HW REV. 1.02" at 1914.94,2682.84 h50
  text "WIFI" at 3117.17,2473.74 h35
  text "BATT" at 3328,2441 h35
  text "CONN" at 3555,2441 h35
  text "DEBUG" at 3117.17,2439.74 h35
  text "BT" at 3709.55,2427.66 h35
  text "DEBUG" at 3762.55,2428.04 h35
  text "HW REV. 1.02" at 3050.94,2046.84 h50
Bottom Overlay:
  circle w8: c861.52,3150.48 r3
  circle w8: c686.52,2259.48 r3
  circle w8: c414.52,2406.06 r3
  circle w8: c-47.48,3068.48 r3
  circle w8: c2722.52,2340.48 r3
  circle w8: c558.07,2521.61 r3
  circle w8: c649.13,2147.2 r3
  region: 2811.52,2469.48 2792.52,2469.48 2792.52,2456.48 2811.52,2456.48
  text "VIN" at -218.61,3555.4 h20
  text "GND" at -117.07,3555.4 h20
  text "GND" at 3259.61,3515.52 h30
  text "BRIDGE" at 288.52,3504.38 h50 r180
  text "ACCEL/GYRO" at 1380.52,3504.38 h50 r180
  text "LIGHT/PROX" at 2543.49,3504.38 h50 r180
  text "DEBUG" at 2220.38,3486.51 h35 r90
  text "DEBUG" at 1066.38,3482.51 h35 r90
  text "VDD" at 3257.94,3464.52 h30
  text "BT1" at 3252.06,3413.48 h35
  text "DEBUG" at -83.79,3381.49 h35 r90
  text "BT2" at 3256.13,3363.48 h35
  text "BT3" at 3256.36,3313.33 h35
  text "TX" at -193.25,3294.4 h35
  text "AN4" at 3262.21,3263.48 h35
  text "RX" at -191.47,3214.4 h35
  text "AN3" at 3261.98,3213.52 h35
  text "AN2" at 3261.98,3163.33 h35
  text "VEXT" at -151.43,3140.4 h35
  text "AN1" at 3257.91,3113.48 h35
  text "SD_CLK" at 3322.91,3062.29 h35
  text "GND" at -166.07,3057.4 h35
  text "SD_CMD" at 3331.7,3013.29 h35
  text "VDD" at 1968.95,2966.37 h35 r90
  text "D3" at 3224.9,2963.29 h35
  text "D2" at 3224.67,2913.29 h35
  text "USB" at 4013.55,2879.66 h35
  text "P7" at 1030.24,2873.75 h25 r180
  text "P4" at 1180.27,2873.75 h25 r180
  text "P2" at 1280.32,2873.75 h25 r180
  text "P7" at 2183.24,2873.75 h25 r180
  text "P4" at 2333.27,2873.75 h25 r180
  text "P2" at 2433.32,2873.75 h25 r180
  text "P9" at 930.22,2873.48 h25 r180
  text "P8" at 980.22,2873.48 h25 r180
  text "P6" at 1082.12,2873.48 h25 r180
  text "P5" at 1130.17,2873.48 h25 r180
  text "P3" at 1230.24,2873.48 h25 r180
  text "P9" at 2083.22,2873.48 h25 r180
  text "P8" at 2133.22,2873.48 h25 r180
  text "P6" at 2235.12,2873.48 h25 r180
  text "P5" at 2283.17,2873.48 h25 r180
  text "P3" at 2383.24,2873.48 h25 r180
  text "VDD" at 824.22,2871.97 h20 r180
  text "GND" at 873.65,2871.97 h20 r180
  text "VDD" at 1977.22,2871.97 h20 r180
  text "GND" at 2026.65,2871.97 h20 r180
  text "D1" at 3220.6,2861.29 h35
  text "D0" at 3224.84,2813.29 h35
  text "I2C_SCL" at 3325.56,2763.29 h35
  text "GND" at 564.21,2727.98 h20
  text "VDD" at 613.64,2727.98 h20
  text "GND" at 1719.39,2726.99 h20
  text "VDD" at 1768.82,2726.99 h20
  text "GND" at 2872.39,2726.99 h20
  text "VDD" at 2921.82,2726.99 h20
  text "P2" at 157.54,2726.2 h25
  text "P3" at 207.62,2726.47 h25
  text "P4" at 257.59,2726.2 h25
  text "P5" at 307.68,2726.47 h25
  text "P7" at 355.73,2726.47 h25
  text "P8" at 407.62,2726.2 h25
  text "P9" at 457.64,2726.47 h25
  text "P10" at 514.94,2726.47 h25
  text "P2" at 1312.72,2725.21 h25
  text "P3" at 1362.8,2725.48 h25
  text "P4" at 1412.77,2725.21 h25
  text "P5" at 1462.86,2725.48 h25
  text "P6" at 1510.91,2725.48 h25
  text "P7" at 1562.8,2725.21 h25
  text "P8" at 1612.82,2725.48 h25
  text "P9" at 1662.82,2725.48 h25
  text "P2" at 2465.72,2725.21 h25
  text "P3" at 2515.8,2725.48 h25
  text "P4" at 2565.77,2725.21 h25
  text "P5" at 2615.86,2725.48 h25
  text "P6" at 2663.91,2725.48 h25
  text "P7" at 2715.8,2725.21 h25
  text "P8" at 2765.82,2725.48 h25
  text "P9" at 2815.82,2725.48 h25
  text "I2C_SDA" at 3330.13,2713.29 h35
  text "BT6" at 3256.36,2662.29 h35
  text "BT5" at 3256.54,2613.29 h35
  text "BT4" at 3256.28,2563.29 h35
  text "MCU" at 3206.55,2478.66 h35
  text "DEBUG" at 3206.55,2444.66 h35
  text "DEBUG" at 2679.66,2116.45 h35 r270
  text "MICROPHONE" at 47.52,2085.06 h50
  text "IR TRANSMITTER" at 1235.52,2085.06 h50
  text "TEMP/HUMIDITY" at 2383.14,2085.06 h50
  text "DEBUG" at 373.29,2063.04 h35 r270
  text "DEBUG" at 1524.84,2063.04 h35 r270
tValues:
  text "5V+" at -384.48,3531.48 h34 r180
VCUT:
  lines w10: 680.15,3636.61 719.52,3597.24 ; 719.52,2023.46 719.52,3575.54 ; 719.52,3794.09 719.52,3597.24 ; 758.89,3636.61 719.52,3597.24 ; 1834.15,3636.6 1873.52,3597.23 ; 1873.52,2023.46 1873.52,3575.54 ; 1873.52,3794.08 1873.52,3597.23 ; 1912.89,3636.6 1873.52,3597.23 ; 2987.15,3636.62 3026.52,3597.25 ; 3026.52,2023.48 3026.52,3575.56 ; 3026.52,3794.1 3026.52,3597.25 ; 3065.89,3636.62 3026.52,3597.25
  text "V-CUT" at 693.91,3813.77 h80 r270
  text "V-CUT" at 1847.91,3813.77 h80 r270
  text "V-CUT" at 3000.91,3813.79 h80 r270
Vscore:
  lines w4: -585.48,2023.48 4285,2023.48 ; -585.48,3575.48 4285,3575.48 ; -428.48,1866 -428.48,3752.48 ; 719.52,1866 719.52,3752.48 ; 1873.52,1866 1873.52,3752.48 ; 3026.52,1866 3026.52,3752.48 ; 4127.52,1866 4127.52,3752.48
mehanical-grove:
  lines w6: -428.5,2953.23 -546.61,2953.23 -546.61,3421.73 -428.5,3421.73